# KiCad board labathome_pcb.kicad_pcb (continued)
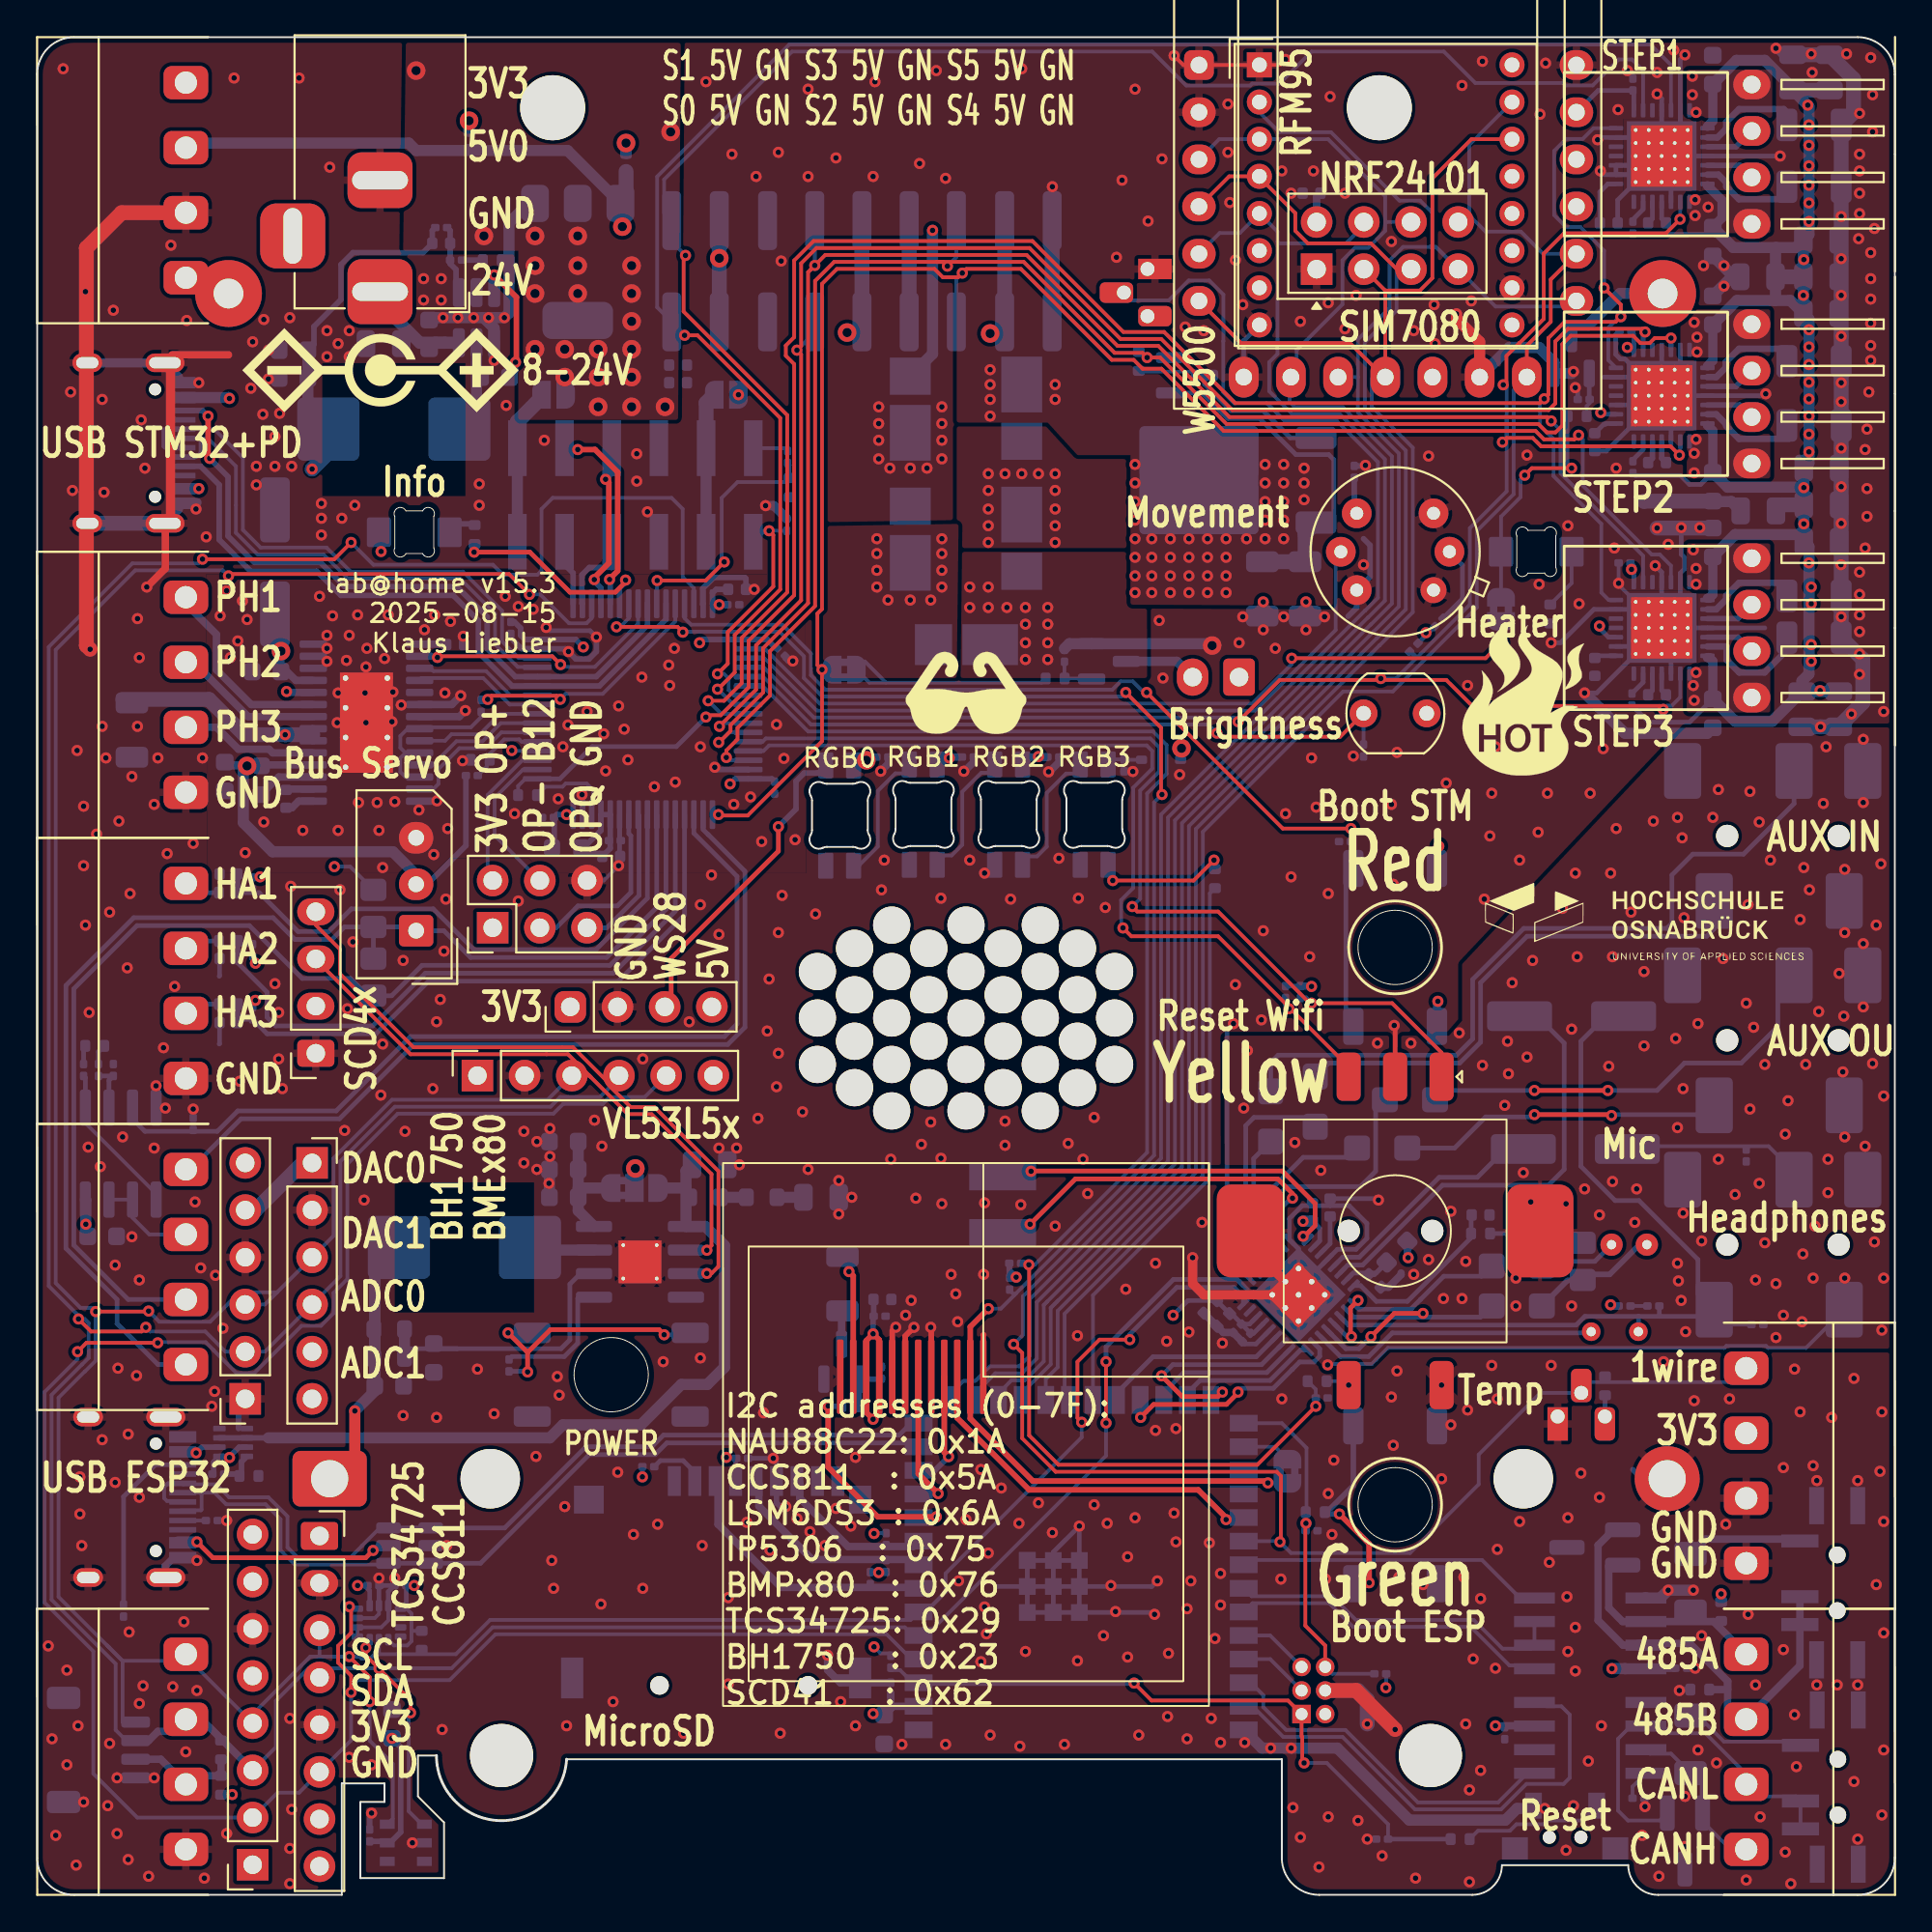
[diagram p0: board, top side]
## Routing (per net, layer and track width the routed paths; a pad name or vN(x,y) marks a point on that pad's centre or on a via; arc(x,y) is an arc through that point) (continued)
GNDA: length 52
  Top w0.5: 65.3,34.9 U10.33 ; NT1.2 U10.33
  Bottom w0.2: v1(69.47,28.53) 69.51,28.58 71.84,28.58 72.71,29.44 90.82,29.44 90.93,29.55 93.07,29.55 93.18,29.44 95.22,29.44 J16.S
  Bottom w0.25: U10.33 67.9,34.77 U10.24 67.41,36.41 68.1,37.1 69.6,37.1 ; v1(72.2,37.4) 72.12,37.48 C21.2 69.6,37.1 ; 69.6,37.1 70.62,37.1 71.58,36.14 71.58,35.33 71,34.75 70,34.75 U10.28 67.9,32.65
  Bottom w0.4: 73.42,33.48 73.42,33.38 72.75,32.71 C14.2
  vias: v1(64.95,42.35) v1(65.15,45.45) v1(67.7,40.5) v1(69.1,39) v1(72.15,45.85) v1(73.95,45.85) v1(74.1,33.4) v1(74.9,34.2) v1(75.7,32.1) v1(76.1,36.8) v1(76.55,46.4) v1(76.7,32.1) v1(76.9,34.1) v1(77.8,44.65) v1(79,42.5) v1(79.15,45.95) v1(79.2,44.2) v1(79.4,49.1) v1(79.6,33.2) v1(79.6,31.7) v1(80,38.88) v1(80.2,45.1) v1(80.4,37.3) v1(80.5,50.3) v1(82.1,53.1) v1(82.3,37.2) v1(82.6,46.6) v1(82.6,31.7) v1(82.8,55) v1(82.9,50.5) v1(83.3,38) v1(84.1,36.6) v1(84.6,44.6) v1(84.7,55) v1(84.8,50.5) v1(84.8,38.4) v1(85,57.4) v1(85.8,52.9) v1(86,36.2) v1(86.1,38) v1(86.5,49.7) v1(86.5,45.7) v1(87,57.8) v1(88.2,46.1) v1(88.3,58) v1(88.3,41.3) v1(88.3,34) v1(88.35,33.05) v1(88.5,32) v1(88.55,56.9) v1(88.6,43.4) v1(88.6,36.7) v1(88.65,52.6) v1(88.74,30.31) v1(89.4,46.9) v1(89.6,35.2) v1(90.2,58) v1(90.5,59.5) v1(90.5,39.6) v1(90.6,36.6) v1(90.75,50.4) v1(91.4,37.7) v1(92,48) v1(92.1,53.3) v1(92.2,59.4) v1(92.2,42.3) v1(92.4,46.7) v1(92.5,33.1) v1(92.7,57.75) v1(92.7,38.3) v1(93,44.7) v1(93,35.1) v1(93.3,55.7) v1(93.6,32.9) v1(93.6,30) v1(94,31.2) v1(94.1,40.95) v1(94.25,42.75) v1(94.9,52.5) v1(95,30.85) v1(95.1,55.3) v1(95.05,34.5) v1(95.2,44.7) v1(95.4,54.1) v1(95.6,33.2) v1(95.7,36) v1(95.9,47.55) v1(96.15,58.75) v1(96.3,61.8) v1(96.4,39.6) v1(96.4,37.8) v1(97,49.6) v1(97.25,47.3) v1(97.2,44.3) v1(97.3,55.2) v1(97.3,51.8) v1(97.3,40.8) v1(97.3,33.2) v1(98.3,62.2) v1(98.3,58.8) v1(98.3,51.2) v1(98.3,47.8) v1(98.4,40.3) v1(98.8,44.75) v1(98.9,35.15) v1(99,52.2) v1(99.25,55.5) v1(99.3,30.4) v1(99.4,43) v1(99.4,33.2)
1wire: length 131.6
  Top w0.2: v1(66.9,19) 66.95,19.05 66.95,22.55 66.72,22.78 54.82,22.78 53.03,24.58 53.03,29.17 v1(52.56,29.64)
  Bottom w0.2: U13.2 80.92,27.02 77.6,23.7 77.6,22.1 73.9,18.4 67.5,18.4 v1(66.9,19) 66.86,19.04 U4.32 ; 58.55,86.2 58.92,85.83 60.91,85.83 61.98,86.9 63.1,86.9 63.85,86.14 63.85,83.64 63.85,83.64 63.85,80.87 64.42,80.3 66.2,80.3 67.18,79.33 69.97,79.33 72.18,77.12 72.18,69.82 71.49,69.13 71.48,69.13 60.5,58.15 60.5,39.65 53.06,32.22 53.06,30.13 v1(52.56,29.64) ; 91.25,27.6 83.19,27.6
5-24V: length 347.5
  In2.Cu w0.6: 8.7,75.75 10.25,75.75 10.35,75.65 ; v1(2.62,36.1) 1.8,36.92 1.8,52.6 7.15,57.95 9.55,57.95 11.61,60.01 11.61,60.46 v2(11.3,60.77)
  In2.Cu w1.2: v2(11.3,60.77) 11.3,65.85 12.4,66.95 v2(13.12,66.95) 13.12,72.88 10.35,75.65 10.44,75.75 10.44,80.45 v1(10.35,80.55) 10.35,86.15
  In2.Cu w1.6: 95.1,96.83 v1(95.1,88.03) 95.1,74.97 ; 95.1,74.97 95.1,65.7 v1(95.97,64.83) ; 95.1,74.97 79.7,74.97 75.43,79.25 60.89,79.25 50.92,89.22 40.17,89.22 37.12,92.28 22.68,92.28 18.46,88.05 J9.2 ; R33.1 18.36,86.2 ; J22.4 8.75,86.3
  Bottom w0.25: 85.94,76.49 86.03,76.4 88.47,76.4 88.94,75.92 89.55,75.92 C89.1 ; C86.1 89.81,89.39 85.94,89.39 ; C90.1 86.75,63.12 88.95,63.12 C98.1
  Bottom w0.3: 21,54.4 23.08,56.48 R68.1
  Bottom w0.4: 14.84,65.38 13.92,65.38 13.12,66.17 ; 13.12,68.62 v2(13.12,66.95) 13.12,66.2 ; 14.84,60.83 10.5,60.83 ; v2(11.3,60.77) 10.56,60.77
  Bottom w0.5: C86.1 90.7,90.28 90.7,91.21 89.91,92 ; 89.91,95.2 90.2,95.49 C76.1 ; 89.91,66.6 90.01,66.6 90.2,66.41 C98.1 ; 90.2,84.53 90.2,82.59 89.91,82.3 ; C89.1 90.2,78.81 89.91,79.1 ; 89.91,69.8 90.01,69.8 90.2,69.99 C92.1
  Bottom w0.6: 94.5,97.29 94.46,97.29 93,98.75 91.47,98.75 C76.1 ; C97.2 95,65.34 95.38,65.72 v1(95.38,71.7) 95.38,72.58 C93.2 ; C97.2 93.4,63.17 91.4,63.17 C98.1 ; C97.2 C96.2 ; C104.2 95.38,84.83 v1(95.38,84.25) v1(95.38,83.33) v1(95.38,82.38) v1(95.38,81.42) v1(95.38,80.53) v1(95.38,79.6) v1(95.38,78.62) v1(95.38,77.67) 95.38,77.08 C85.2 C88.2 ; C104.2 v1(95.07,86.1) C102.2 C72.2 ; C104.2 94.38,85.83 93.55,85.83 ; C92.1 91.4,73.22 94.88,73.22 95.1,73 C93.2 ; C88.2 v1(95.1,75.75) 95.1,75.78 91,75.78 C89.1 ; C88.2 v1(95.1,73.8) C93.2 ; 90.2,84.53 91.5,85.83 93.55,85.83 ; v2(11.3,60.77) 11.1,60.57 11.1,57.72 12.67,56.15 19.15,56.15 20.4,54.9 ; 93.6,88.67 94.68,88.67 C72.2 ; 93.6,88.67 93.57,88.65 C103.2 93.57,85.85 93.55,85.83 ; 93.6,88.67 91.3,88.67 C86.1 ; C77.2 v1(95.31,96.34) 95.38,96.28 v1(95.38,95.28) v1(95.38,94.17) v1(95.38,93.08) v1(95.38,92.03) v1(95.38,91.08) v1(95.38,90.08) 95.38,89.38 C72.2 ; J13.A4 v1(8.7,75.7) ; 2.59,37.42 2.62,37.4 v1(2.62,36.1) 2.62,35.65 ; D8.2 48.2,82.95 v1(48.2,89.6) ; v1(10.35,80.55) 10.3,80.6 J13.A9
  Bottom w0.65: 21.95,83.55 21.42,83.55 C79.2 ; 21.95,83.55 U27.3 ; 21.95,83.55 20.6,83.55 18.46,85.69
  Bottom w0.8: C102.2 C103.2 ; J22.4 9.95,87.05 ; C88.2 93.93,74.83 C78.2 ; C69.2 C77.2
  vias: v1(95.5,70.4) v1(95.5,69.5) v1(95.5,67.3) v1(95.5,66.4)
485_DE: length 18.3
  Bottom w0.2: U4.34 65.38,16.07 69.71,16.07 70.98,14.8 77.33,14.8 78.88,13.25 80.41,13.25 U1.2 U1.3
485_DI: length 16.1
  Bottom w0.2: 65.21,18.03 77.78,18.03 79.82,15.98 80.42,15.98
485_RO: length 16.5
  Bottom w0.2: U4.35 65.42,15.7 69.55,15.7 70.83,14.43 77.18,14.43 79.25,12.35 79.65,12.35 79.83,12.17
+BATT: length 17.8
  Top w0.6: v1(17.1,26.05) 17.1,23.75 BT1.1
  Bottom w0.6: v1(17.1,26.05) 18.17,27.12 18.17,33.05 ; 18.17,33.05 18.17,33.55 ; 18.17,33.05 C29.1
/actors/D9_COOL:
  vias: v1(51.3,82.1) v1(51.3,81.3) v1(51.3,80.5) v1(51.3,79.6) v1(54.8,81.3) v1(54.8,80.5) v1(59.1,77) v1(59.1,76) v1(59.1,75) v1(59.1,74) v1(59.1,73) v1(59.1,72) v1(59.1,71) v1(59.1,70.1) v1(60,73) v1(60,72) v1(60,71) v1(60,70.1) v1(61,73) v1(61,72) v1(61,71) v1(61,70.1) v1(62,73) v1(62,72) v1(62,71) v1(62,70.1) v1(63,73) v1(63,72) v1(63,71) v1(63,70.1) v1(64,73) v1(64,72) v1(64,71) v1(64,70.1) v1(65.1,73) v1(66.1,77) v1(66.1,76) v1(66.1,75) v1(66.1,74) v1(66.1,73) v1(67.1,77) v1(67.1,76) v1(67.1,75) v1(67.1,74) v1(67.1,73) v1(68.2,76.8) v1(68.2,76) v1(68.2,75.1)
/actors/D10_COOL:
  vias: v1(45.2,73) v1(45.2,72.2) v1(45.2,71.3) v1(45.2,70.4) v1(45.8,69.7) v1(47,69.7) v1(48.1,69.7) v1(48.7,73) v1(48.7,72.2) v1(48.7,71.3) v1(48.7,70.4)
/actors/D11_COOL:
  vias: v1(50.2,70.4) v1(50.2,69.3) v1(51.2,70.4) v1(51.2,69.3) v1(52.2,69.3) v1(53.2,69.3) v1(53.2,68.4) v1(53.2,67.4) v1(53.2,66.5) v1(54.4,69.3) v1(54.4,68.4) v1(54.4,67.4) v1(54.4,66.5)
/actors/D12_COOL:
  vias: v1(45.3,80.1) v1(45.3,79.2) v1(45.3,78.3) v1(45.3,77.3) v1(45.9,76.8) v1(47,76.8) v1(47.9,76.8) v1(48.7,80.1) v1(48.7,79.2) v1(48.7,78.3) v1(48.7,77.3)
/actors/D13_COOL:
  vias: v1(51.2,76.5) v1(51.2,75.6) v1(51.2,74.6) v1(51.2,73.7) v1(51.2,72.8) v1(52.1,76.5) v1(53,76.5) v1(53.9,76.5) v1(54.8,76.5) v1(54.8,75.6) v1(54.8,74.6) v1(54.8,73.7) v1(54.8,72.8)
/audioamplifier/JACK_DETECT: length 41.6
  Bottom w0.2: R27.1 91.07,30.7
  Bottom w0.25: 86.2,31.14 83.31,31.14 82.85,30.67 70.59,30.67 U10.3 ; 86.2,31.14 86.19,31.14 TP1.1 ; 86.2,31.14 87.3,31.14 ; 87.3,31.14 89.91,31.14 ; 87.3,31.14 87.32,31.16 R25.2 ; 84.45,47.3 83.1,45.95 83.1,39.22 84.94,37.38 86.22,37.38 89.4,34.2 89.4,32.38
/psu/BOOT: length 7.1
  Top w0.3: v1(24.6,87.2) 25.8,86 25.8,82.55 v1(25.75,82.5)
  Bottom w0.3: v1(25.75,82.5) 25.75,82.03 25.42,81.7 ; v1(24.6,87.2) U27.6
/psu/FB: length 3.5
  Bottom w0.3: 22.55,86.4 22.55,87.49 22.23,87.81 R60.2 C82.1 22.23,89.59 R59.2
/psu/SW: length 3.7
  Bottom w0.6: U27.2 23.65,79.83
ADC0_U1T: length 62.6
  Bottom w0.25: R77.1 19.08,48.4 20.72,50.03 30.84,50.03 33.85,53.05 U5.22 ; 17.8,48.4 16.87,49.33 14.27,49.33 11.42,52.17 5.38,52.17 1.97,48.77 1.97,34.98 4.9,32.05 J27.3
ADC1_U1R: length 66.2
  Bottom w0.25: J27.4 6.5,28.55 4.3,30.75 4.3,32.05 1.55,34.8 1.55,48.95 5.2,52.6 12.7,52.6 13.87,51.43 15.87,51.43 16.54,52.1 R76.2 ; R76.2 R77.2 ; R76.2 20.2,52.1 ; U5.23 33.35,53.15 30.66,50.46 23.33,50.46 21.89,51.9 J18.1
BL_DRV1: length 8.1
  Bottom w0.2: U5.38 24.99,62.58 24.14,61.72 22.73,61.72 21.6,60.6 21.6,59.8 21.32,59.53 U3.27
BL_DRV2: length 7.3
  Bottom w0.2: U3.25 21.3,60.83 22.57,62.1 23.98,62.1 24.96,63.08 U5.39
BL_DRV3: length 7
  Bottom w0.2: U5.40 24.92,63.58 23.83,62.47 22.3,62.47 21.95,62.12 20.56,62.12
BL_ENABLE: length 8.3
  Bottom w0.2: 19.83,61.47 19.55,61.2 19.55,60.45 19.83,60.17 20.56,60.17 ; 19.83,61.47 19.55,61.75 19.55,62.38 19.94,62.78 ; 19.83,61.47 20.56,61.47 ; R63.2 23.9,63.4 23.35,62.85 20.64,62.85
BL_ENABLEx: length 13.3
  Top w0.2: v1(24.25,64.35) 24.45,64.55 27.96,64.55 v1(28.16,64.36)
  Bottom w0.2: v1(24.25,64.35) 24.22,64.32 R63.1 ; U5.60 34.35,68.56 30.44,64.65 28.45,64.65 v1(28.16,64.36)
BL_FAULT: length 7
  Bottom w0.2: U5.41 25.44,64.08 24.01,65.5 20.69,65.5 20.56,65.38
BL_HALL1: length 30.9
  Bottom w0.25: 10.81,54.92 R16.2 11.95,53.95 14.05,51.86 15.69,51.86 16.91,53.08 21.32,53.08 23.51,50.89 30.09,50.89 32.85,53.65 U5.24
BL_HALL2: length 35.5
  Bottom w0.25: R51.2 10.99,51.17 R14.2 10.81,50.43 ; C9.1 10.78,50.19 12.38,48.59 12.38,47.24 12.84,46.78 18.06,46.78 20.89,49.61 31.01,49.61 34.35,52.95 U5.21
BL_HALL3: length 33.5
  Bottom w0.25: U5.20 34.85,52.75 31.28,49.19 21.07,49.19 18.24,46.35 12.38,46.35 R64.2 10.96,47.13 C10.1 ; 10.81,46.98 R10.2
BL_ISENSE: length 29.4
  In2.Cu w0.2: v1(25.55,61.6) 25.5,61.65 14.15,61.65 v1(13.35,62.45)
  In2.Cu w0.6: v1(13.35,62.45) 13.35,64.7 v1(13.42,64.78)
  Bottom w0.2: v1(25.55,61.6) 25.58,61.58 U5.36
  Bottom w0.4: 14.84,62.78 14.84,62.12 ; v1(13.42,64.78) 13.47,64.72 14.84,64.72
  Bottom w0.8: 4.61,64.35 9.25,64.35 11.15,62.45 v1(13.35,62.45) 14.84,62.45
BL_RESET: length 14.1
  Top w0.2: v1(28.17,66.22) 27.72,66.67 21.61,66.67 v1(21.55,66.61)
  Bottom w0.2: 20.56,66.67 21.49,66.67 v1(21.55,66.61) ; U5.56 32.35,68.43 30.02,66.1 28.3,66.1 v1(28.17,66.22)
BL_SLEEP: length 6.3
  Bottom w0.2: U5.42 25.47,64.58 24.17,65.88 21.33,65.88 21.18,66.03
BRIGHTNESS: length 36.6
  Top w0.2: v1(63.51,62.53) 63.7,62.34 70.14,62.34 71.35,63.55
  Bottom w0.2: v1(63.51,62.53) 63.04,63 41.66,63 39.08,65.58 U5.5 ; R11.1 R32.2
BTN_GRN: length 19.9
  Top w0.2: v1(68.3,20) 68.27,19.97 68.27,14.49 69.34,13.42 69.34,12.27
  Bottom w0.2: 69.34,12.27 69.71,11.9 R41.2 ; 68.33,20.64 68.33,24.06 67,25.39 U4.27 ; v1(68.3,20) 68.29,20.01 R40.1 68.29,19.61 C53.2
BTN_RED: length 52.1
  Top w0.2: v1(70.72,57.4) 67.05,57.4 v1(59.72,64.72)
  Bottom w0.2: v1(70.72,57.4) R39.1 ; v1(59.72,64.72) 59.57,64.72 58.97,65.33 58.32,65.33 57.88,64.88 42.43,64.88 41.65,65.66 41.65,66.83 40.11,68.38 35.2,68.38 34.85,68.73 U5.61
  Bottom w0.25: 70.45,47.15 70.45,54.85 ; R39.1 70.82,56.6 70.82,55.48
BTN_YEL: length 83.6
  Top w0.2: v1(53.38,33.92) 53.4,33.9 53.4,24.73 54.98,23.15 65.68,23.15 v1(68.83,26.3)
  Bottom w0.2: U5.6 39.05,65.08 41.5,62.62 60.07,62.62 60.8,61.9 60.8,60.34 59.75,59.29 59.75,39.97 53.7,33.92 v1(53.38,33.92) ; R66.2 68.83,27.21 C40.2 v1(68.83,26.3)
  Bottom w0.3: v1(53.38,33.92) 53.3,34 R67.2
CAN_RX: length 24.9
  Bottom w0.2: 81.25,10.15 82.05,10.15 82.5,9.7 82.5,6.3 82.17,5.97 80.17,5.97 78.8,4.6 74.17,4.6 70.27,8.5 67.08,8.5 65.43,10.15
CAN_TX: length 18.6
  Bottom w0.2: 80.21,6.54 78.64,4.97 74.32,4.97 70.43,8.88 67.24,8.88 66,10.11 66,10.75 65.33,11.42
CANH: length 8.9
  Bottom w0.2: U7.7 86.81,7.6 87.95,7.6 R46.2 ; 89,6.3 89.6,6.3 89.6,4 91.15,2.45 J15.1
CANL: length 18.2
  Bottom w0.2: 87.51,9.09 87.9,8.7 89.8,8.7 92,6.5 ; J15.2 92.65,5.3 94.67,5.3 SW3.2 SW3.3 ; D3.1 87.35,4 85.64,4 85.1,4.54 85.1,8.4 85.78,9.09
DAC0: length 45.4
  Bottom w0.25: U5.18 35.85,57.34 36.12,57.08 36.12,57.08 38.1,55.1 38.1,46.7 37.18,45.78 20.28,45.78 16.28,41.78 10.98,41.78 8.25,39.05
DAC1: length 47.4
  Bottom w0.25: U5.19 35.35,57.15 37.68,54.83 37.68,46.88 37,46.2 20.1,46.2 16.1,42.2 10.8,42.2 9.7,41.1 5.8,41.1 5.14,41.77
DAC1x: length 5.5
  Bottom w0.2: J27.2 6.04,35.55 5.14,36.45 5.14,37.42 3.86,37.42
EXT_CLK: length 86.7
  Top w0.2: U15.5 73.19,87.51 71.8,88.9 68.4,88.9 67.72,89.57 67.72,90.53 65.79,92.46 ; M1.4 64.17,92.51 U6.4
  Bottom w0.2: 53.03,27.03 54.56,28.56 54.56,31.59 ; 54.96,31.99 54.56,31.59 ; 54.96,31.99 62,39.03 62,57.53 72.1,67.63 72.11,67.63 73.68,69.2 73.68,77.75 71.47,79.95 71.47,83.57 73.18,85.28 73.18,87.5 73.94,87.5 ; 54.96,31.99 54.56,31.59
EXT_CS: length 88.2
  Bottom w0.2: 71.41,89.87 70.45,88.9 66.87,88.9 66.77,89 ; 49.32,27.12 49.87,27.67 50.5,27.67 51.28,28.45 52.86,28.45 53.44,29.03 53.44,32.06 60.88,39.5 60.88,58 71.63,68.76 71.64,68.76 72.55,69.67 72.55,77.28 70.13,79.7 67.56,79.7 66.32,80.94 66.32,82.5 66.77,82.95 66.77,89 ; 66.77,89 66.77,89.53 U6.5 64.74,89.46 63.66,89.46 M1.5
EXT_IO1: length 95.9
  Top w0.2: X3.4 72.57,86.36 72.56,86.36 ; 72.5,81.7 70.67,83.53 64.81,83.53 M1.6 ; 72.56,86.36 74.43,86.36 75.1,87.03 75.1,92.41 77.21,94.51 79.3,94.51 ; 72.56,86.36 U15.3
  Bottom w0.2: U4.19 54.29,27.76 54.94,28.41 54.94,31.44 62.38,38.88 62.38,57.38 72.26,67.26 72.26,67.26 74.05,69.04 74.05,77.9 71.84,80.11 71.84,81.6 72.47,81.6
EXT_IO2: length 88.1
  Top w0.2: X3.7 80.19,83.4 81.47,84.68 81.47,86.95 M1.8
  Bottom w0.2: 55.31,26.89 55.31,31.28 62.75,38.72 62.75,57.22 70.3,64.78 72.98,64.78 77.5,69.3 77.5,73.42 79.48,75.4 79.48,80.99 X3.7 ; U6.15 77.09,94.2 77.09,90.41 77.97,89.53 79.87,89.53 81.06,88.34 M1.8
EXT_MISO: length 99.6
  Bottom w0.2: 82.56,85.5 78.51,85.5 U15.7 75.34,88.66 ; 75,88.71 75.1,88.81 75.1,90.55 74.45,91.2 73.33,91.2 69.65,94.88 66.87,94.88 65.79,95.96 ; 75,88.71 73.53,88.71 72.81,87.99 72.81,85.44 71.09,83.73 71.09,81.7 ; 75,88.71 75.29,88.71 76.44,87.56 ; 71.09,81.7 71.09,79.8 73.3,77.59 73.3,69.36 71.95,68.01 71.95,68.01 61.62,57.69 61.62,39.19 54.37,31.93 ; 71.09,81.7 X3.3 ; 54.19,31.75 54.37,31.93 ; 54.19,31.75 54.37,31.93 ; 54.19,31.75 54.19,28.72 53.17,27.7 52.45,27.7 51.75,27
EXT_MOSI: length 93.7
  Bottom w0.2: 67.42,81.7 67.42,80.37 67.72,80.08 70.29,80.08 72.93,77.44 72.93,69.51 71.8,68.38 71.79,68.38 61.25,57.84 61.25,39.34 53.81,31.9 53.81,28.87 53.01,28.08 51.57,28.08 50.62,27.12 ; 72.56,90.1 72.56,91.44 69.49,94.51 63.63,94.51 M1.3 ; 72.56,90.1 72.56,89.57 71.65,88.66 70.94,88.66 70.26,87.99 70.26,85.62 67.8,83.15 67.8,81.7 ; 72.56,90.1 72.61,90.05 U15.6
FAN_DRIVE: length 90.7
  Top w0.2: v1(36.68,58.15) 36.72,58.1 38.25,58.1 42.25,62.1 v1(42.25,65.95) 42,66.2 42,68.97 42.25,69.22 42.25,86.72 43.06,87.53 48.3,87.53 48.75,87.08 49.57,87.08 v1(49.8,87.3) 50.03,87.53 52.95,87.53 57.85,82.63 59.03,82.63 59.5,82.15 60.52,82.15 63.87,78.8 80.66,78.8 81.11,78.35 82.75,78.35 v1(82.97,78.58)
  Bottom w0.2: U20.19 87.95,71.55 87.35,72.15 86.91,72.15 83.2,75.86 83.2,78.35 v1(82.97,78.58) ; J25.5 49.48,86.98 v1(49.8,87.3) ; U5.17 v1(36.68,58.15)
HEATER: length 44.4
  Top w0.2: v1(78.8,67.4) 77.97,66.57 v1(67.53,66.57)
  Bottom w0.2: v1(78.8,67.4) JP8.1 ; U5.2 39.17,67.08 42.12,64.12 65.41,64.12 67.53,66.25 v1(67.53,66.57)
HEATER_SW: length 6.3
  Bottom w0.6: R33.2 85.2,86.2 83.5,84.5 82.6,84.5 Q2.3
I2C_IRQ: length 125.1
  Top w0.2: v1(16.81,15.51) 16.9,15.42 16.9,14.1 16.2,13.4 16.2,12.5 16.9,11.8 v1(16.9,10.9) ; v1(2.17,29.24) 2.65,29.71 v1(6.49,29.71)
  Bottom w0.2: 15.2,6.6 14.1,5.5 12.94,5.5 J12.2 5.39,4.16 3.03,6.53 3.03,13.11 0.4,15.73 0.4,27.07 2.17,28.84 v1(2.17,29.24) ; v1(16.81,15.51) 16.92,15.4 U9.4 ; v1(6.49,29.71) 6.53,29.75 9.07,29.75 9.5,29.32 9.5,29.31 10.72,28.09 11.69,28.09 14.23,30.63 15.28,30.63 15.95,31.3 15.95,32.4 16.7,33.15 16.7,39.34 19.41,42.05 27.79,42.05 28.32,42.58 30.45,42.58 30.82,42.95 32.71,42.95 J23.5 ; 47.06,12.69 45.72,14.03 24.67,14.03 22.2,11.56 17.22,11.56 16.9,11.24 v1(16.9,10.9) 16.9,8.32 J20.6
I2S_ADC: length 7.5
  Bottom w0.25: 60.77,27.17 61.72,28.11 66.19,28.11 U10.9
I2S_BCLK: length 7.3
  Bottom w0.25: 62.01,27.11 62.59,27.69 66.37,27.69 68.01,29.33 U10.8
I2S_DAC: length 11.9
  Top w0.25: v1(63.8,27.06) 63.56,26.83 61.64,26.83 v1(60.53,27.94)
  Bottom w0.25: v1(63.8,27.06) 63.61,27.06 U4.26 ; v1(60.53,27.94) 61.13,28.54 65.91,28.54 U10.10
I2S_FS: length 12.8
  Top w0.25: v1(59.4,25.7) 60.1,26.4 64.02,26.4 64.64,27.02 v1(64.64,27.06)
  Bottom w0.25: v1(64.64,27.06) 64.84,27.27 66.54,27.27 67.96,28.68 68.74,28.68 69.04,28.99 69.04,29.39 U10.7 ; v1(59.4,25.7) 59.4,26.61
I2S_MCLK: length 9.6
  Bottom w0.25: U10.11 65.63,28.97 60.06,28.97 58.27,27.17
LCD_BACKLIGHT: length 11.9
  Top w0.3: v1(42.58,26.32) 42.58,23.02 45.25,20.35 v1(48.4,20.35)
  Bottom w0.3: v1(48.4,20.35) 47.49,20.35 ; R74.2 42.6,26.3 v1(42.58,26.32)
LCD_CLK: length 6.3
  Top w0.3: v1(49.06,23.59) 48.83,23.82 X2.9
  Bottom w0.3: v1(49.06,23.59) 48.32,22.85 U4.12
LCD_DAT: length 20
  Top w0.3: v1(64,20.2) 64,20.3 62.5,21.8 53.4,21.8 49.53,25.67 X2.10
  Bottom w0.2: 64.94,20.3 64.1,20.3 v1(64,20.2)
LCD_DC: length 8.8
  Top w0.3: v1(48.5,21.6) 47.43,22.67 X2.7
  Bottom w0.2: v1(48.5,21.6) 47.47,21.6
  Bottom w0.3: U4.11 48.48,21.58 v1(48.5,21.6)
LCD_LED: length 6.3
  Top w0.3: v1(43.7,33.55) 43.93,33.32 X2.2
  Bottom w0.4: 43.7,34.06 v1(43.7,33.55)
LCD_RES: length 95
  Top w0.2: v1(34.76,67.97) 34.47,68.26 v1(31.19,68.26) ; v1(58.6,64.72) 60.5,62.83 60.5,59.28 v1(60.55,59.23)
  Top w0.3: v1(66.25,22.17) 66.15,22.28 53.6,22.28 50.23,25.64 X2.11 50.23,30.58 v1(51.2,31.55)
  Bottom w0.2: 52.35,32.55 52.61,32.29 ; 52.61,32.29 52.69,32.37 52.69,32.37 60.12,39.81 60.12,58.81 v1(60.55,59.23) ; 52.61,32.29 51.87,31.55 v1(51.2,31.55) ; v1(58.6,64.72) 58.38,64.5 42.28,64.5 41.28,65.5 41.28,66.67 39.95,68 34.79,68 v1(34.76,67.97) ; U5.55 31.85,68.73 31.38,68.26 v1(31.19,68.26) ; v1(66.25,22.17) 67.43,22.17
LED_INFO: length 10.8
  Top w0.25: v1(23.52,72.28) 26.52,72.28 28.68,70.12 31.12,70.12 31.68,70.67 v1(31.68,70.78)
  Bottom w0.25: v1(31.68,70.78) 31.68,70.63 31.35,70.31 U5.54
LED_RGB: length 30.3
  Bottom w0.2: R70.2 63.12,53.92 63.12,38.57 56.84,32.28 56.84,26.64
LED_WHITE_P: length 88.5
  Top w0.2: 48.4,87.9 48.78,87.9 v1(49,87.67) ; 48.4,87.9 42.9,87.9 41.88,86.88 41.88,69.38 39.45,66.95 39.45,64.56 37.7,62.81 37.7,62.2 37.1,61.6 v1(37.1,61.22) ; 48.4,87.9 53.11,87.9 58,83 59.5,83 v1(59.75,82.75) 60.45,82.75 64.03,79.17 80.82,79.17 81.27,78.72 81.73,78.72 82.1,79.09 82.1,83.47 82.56,83.92 85.91,83.92 86.31,83.53 86.8,83.53 87.07,83.8 v1(87.95,83.8)
  Bottom w0.2: v1(49,87.67) 49.48,88.16 49.48,90.09 ; v1(59.75,82.75) 59.44,83.06 ; U5.14 37.25,61.08 v1(37.1,61.22)
  Bottom w0.25: v1(87.95,83.8) U19.19
MOVE: length 38.5
  Bottom w0.2: U5.3 39.14,66.58 41.97,63.75 65.57,63.75 69.9,68.08 69.9,72.02
OPAMP3+: length 7.8
  Bottom w0.2: 24.25,54.87 24.25,59.21 26.12,61.08 U5.35
OPAMP3-: length 9.9
  Bottom w0.25: U5.26 31.85,57.12 31.96,57.01 31.96,53.96 31.23,53.23 29.11,53.23 27.94,52.06 J26.3
OPAMP3Q: length 7.9
  Bottom w0.25: U5.25 32.4,58.1 32.4,53.8 30.66,52.06 J26.5
PB12: length 8.4
  Bottom w0.2: J26.4 24.62,57.03 24.62,59.05 26.15,60.58 U5.34
PROG_EN: length 35.5
  Top w0.2: v1(59.05,11.4) 59.99,10.46 67.34,10.46 J6.1 68.06,8.53 68.1,8.5 68.1,7.2 v1(68.2,7.1)
  Bottom w0.2: 45.9,12.1 46.45,12.1 47.13,11.42 ; v1(68.2,7.1) 69.42,7.1 72.72,3.8 C5.1
  Bottom w0.25: R1.2 C5.1
  Bottom w0.3: v1(59.05,11.4) 47.47,11.4
PROG_RX: length 3.8
  Bottom w0.2: U4.36 66.38,13.96 J6.5
PROG_TX: length 3.8
  Bottom w0.2: U4.37 66.38,12.69 J6.3
ROT_A: length 53.5
  Top w0.2: v1(58.95,53.2) 59.22,52.93 63.57,52.93 68.5,48 v1(68.6,48) 72.94,48 75.6,45.34 SW6.A
  Bottom w0.2: v1(58.95,53.2) 59.38,53.62 59.38,59.44 60.4,60.47 60.4,61.77 59.92,62.25 39.22,62.25 39.05,62.08 U5.12
  Bottom w0.25: v1(68.6,48) 68.32,48.28 R36.1
ROT_B: length 48.2
  Top w0.2: v1(58.45,52.05) 58.9,51.6 63.57,51.6 70.6,44.57
  Bottom w0.2: U5.13 39.1,61.58 39.4,61.88 59.72,61.88 60.03,61.58 60.03,60.62 59,59.6 59,54.2 58.35,53.55 58.35,52.15 v1(58.45,52.05)
  Bottom w0.25: R37.2 67.2,47.88 v1(67.38,47.7)
RS485A: length 11.5
  Bottom w0.4: D2.2 84.65,17.75 84.6,17.7 84.6,15.45 85.34,14.71 90.24,14.71 J15.4
RS485B: length 25.5
  Bottom w0.4: R5.1 91,11.05 91,11.5 ; J15.3 94.89,12.34 SW2.3 SW2.2 ; 86.5,13.44 85.36,13.44 84.03,14.78 84.03,18.82 84.85,19.65 D2.1 ; 91,11.5 91,9.65 ; 91,11.5 88.97,13.53 86.19,13.53
SCL: length 251.2
  Top w0.2: v1(36.05,34.7) 36.3,34.95 36.3,38.8 33.07,42.03 31.8,42.03 29.81,44.01 ; v1(10.3,71) 10.4,71.1 25.4,71.1 v1(26.5,70) ; v1(16.8,12.82) 17.9,11.72 v1(17.9,10.4) ; v1(58.81,29.89) 57.19,29.89 56,28.7 56,25.67 v1(56.23,25.44) ; 29.81,44.01 29.72,44.1 J23.3 ; 29.81,44.01 28.57,45.25 20.1,45.25 15,50.35 ; v1(3.15,31.4) 5.97,31.4 v1(6,31.42)
  Bottom w0.2: 12.92,32.44 J10.3 15.95,35.47 15.95,39.65 19.1,42.8 27.48,42.8 J23.3 ; 12.92,32.44 12.26,31.78 J19.3 ; 12.92,32.44 10.9,32.44 9.31,30.85 6.58,30.85 v1(6,31.42) ; v1(10.3,71) 10,71.3 5.28,71.3 1,67.02 1,32.93 2.33,31.6 2.95,31.6 v1(3.15,31.4) 3.15,28.75 2.58,28.18 2.57,28.18 1.15,26.76 1.15,16.04 3.87,13.32 ; 15.2,12.82 14.7,12.82 11.6,9.73 ; 15.2,12.82 v1(16.8,12.82) 17.35,12.82 17.45,12.72 17.93,12.72 18.16,12.96 18.4,12.96 ; 15.2,12.82 J20.3 ; U4.6 47.02,14.8 24.38,14.8 22.54,12.96 18.4,12.96 ; 7.66,12.6 4.59,12.6 3.87,13.32 ; 3.87,13.32 3.77,13.42 4.6,12.59 4.6,9.3 J11.4 ; 18.4,12.96 U9.13 ; v1(56.23,25.44) 56.23,24.63 48.9,17.3 48.9,16.3 48.75,16.15 ; 48.75,16.15 47.83,15.23 ; 48.75,16.15 48.08,15.48 ; U5.51 29.85,68.73 29.57,68.45 28.63,68.45 27.08,70 v1(26.5,70) ; v1(17.9,10.4) 17.9,8.3 19.14,7.06 19.14,4.1 U12.3 ; J12.4 8,12.84
  Bottom w0.25: v1(58.81,29.89) 58.81,30.17 61.34,32.7 64.42,32.7 64.93,32.19 U10.16
SDA: length 269.4
  Top w0.2: 15,52.2 16.3,50.9 16.3,49.58 20.26,45.62 28.85,45.62 30.89,43.58 30.89,43.47 31.96,42.4 33.23,42.4 36.68,38.96 36.68,33.83 36.3,33.45 v1(36.05,33.45) ; v1(2.22,31) 2.9,30.33 5.62,30.33 v1(5.85,30.55) ; v1(17.69,13.3) 17.69,12.89 v1(18.4,12.18) 20.1,10.48 v1(20.1,9.8) ; v1(57.54,25.4) v1(57.54,28.7) ; v1(8.9,71.9) 16,71.9 v1(16.9,72.8)
  Bottom w0.2: v1(17.69,13.3) 17.9,13.51 U9.14 ; 31.32,43.98 30.29,42.95 28.16,42.95 27.64,42.42 19.26,42.42 16.33,39.49 16.33,33.31 J10.4 12.26,29.24 J19.2 10.13,29.24 9.05,30.33 6.08,30.33 v1(5.85,30.55) ; 47.29,13.81 46.71,14.4 24.51,14.4 22.31,12.2 18.42,12.2 v1(18.4,12.18) 18.38,12.2 14.6,12.2 12.85,10.45 12.85,7.95 J12.3 ; v1(57.54,25.4) 57.54,23.64 47.86,13.96 ; v1(16.9,72.8) 18.1,71.6 24.53,71.6 25.08,71.06 26.92,71.06 27.15,71.28 27.15,74.6 27.75,75.2 34.15,75.2 34.75,74.6 34.75,70.94 35.35,70.34 U5.62 ; U12.4 20.7,3.8 20,4.5 20,9.7 v1(20.1,9.8) ; v1(8.9,71.9) 8.67,71.67 5.12,71.67 0.62,67.17 0.62,32.77 2.22,31.17 v1(2.22,31) 2.55,31 2.78,30.78 2.78,28.91 2.42,28.56 2.42,28.56 0.78,26.91 0.78,15.89 4.22,12.44 4.22,8.88 4.8,8.3
  Bottom w0.25: v1(57.54,28.7) 57.54,29.5 61.17,33.13 64.6,33.13 U10.17
  Bottom w0.4: J11.3 6,8.3 6.5,8.8 7.36,8.8 ; J12.3 8.85,9.45
